# Altium PCB SPG_300.PcbDoc (part 4 of 7)
Units mil, origin at the board's own origin, x right, y up, seen from the top; angles counter-clockwise.
Board outline 7834.65 x 4330.71 mil, 4 copper layers (Top, Route2-SIG, Route3-GND, Bottom), stack 67.156 mil thick; 659 components, 376 nets, 2304 pads, 665 vias.
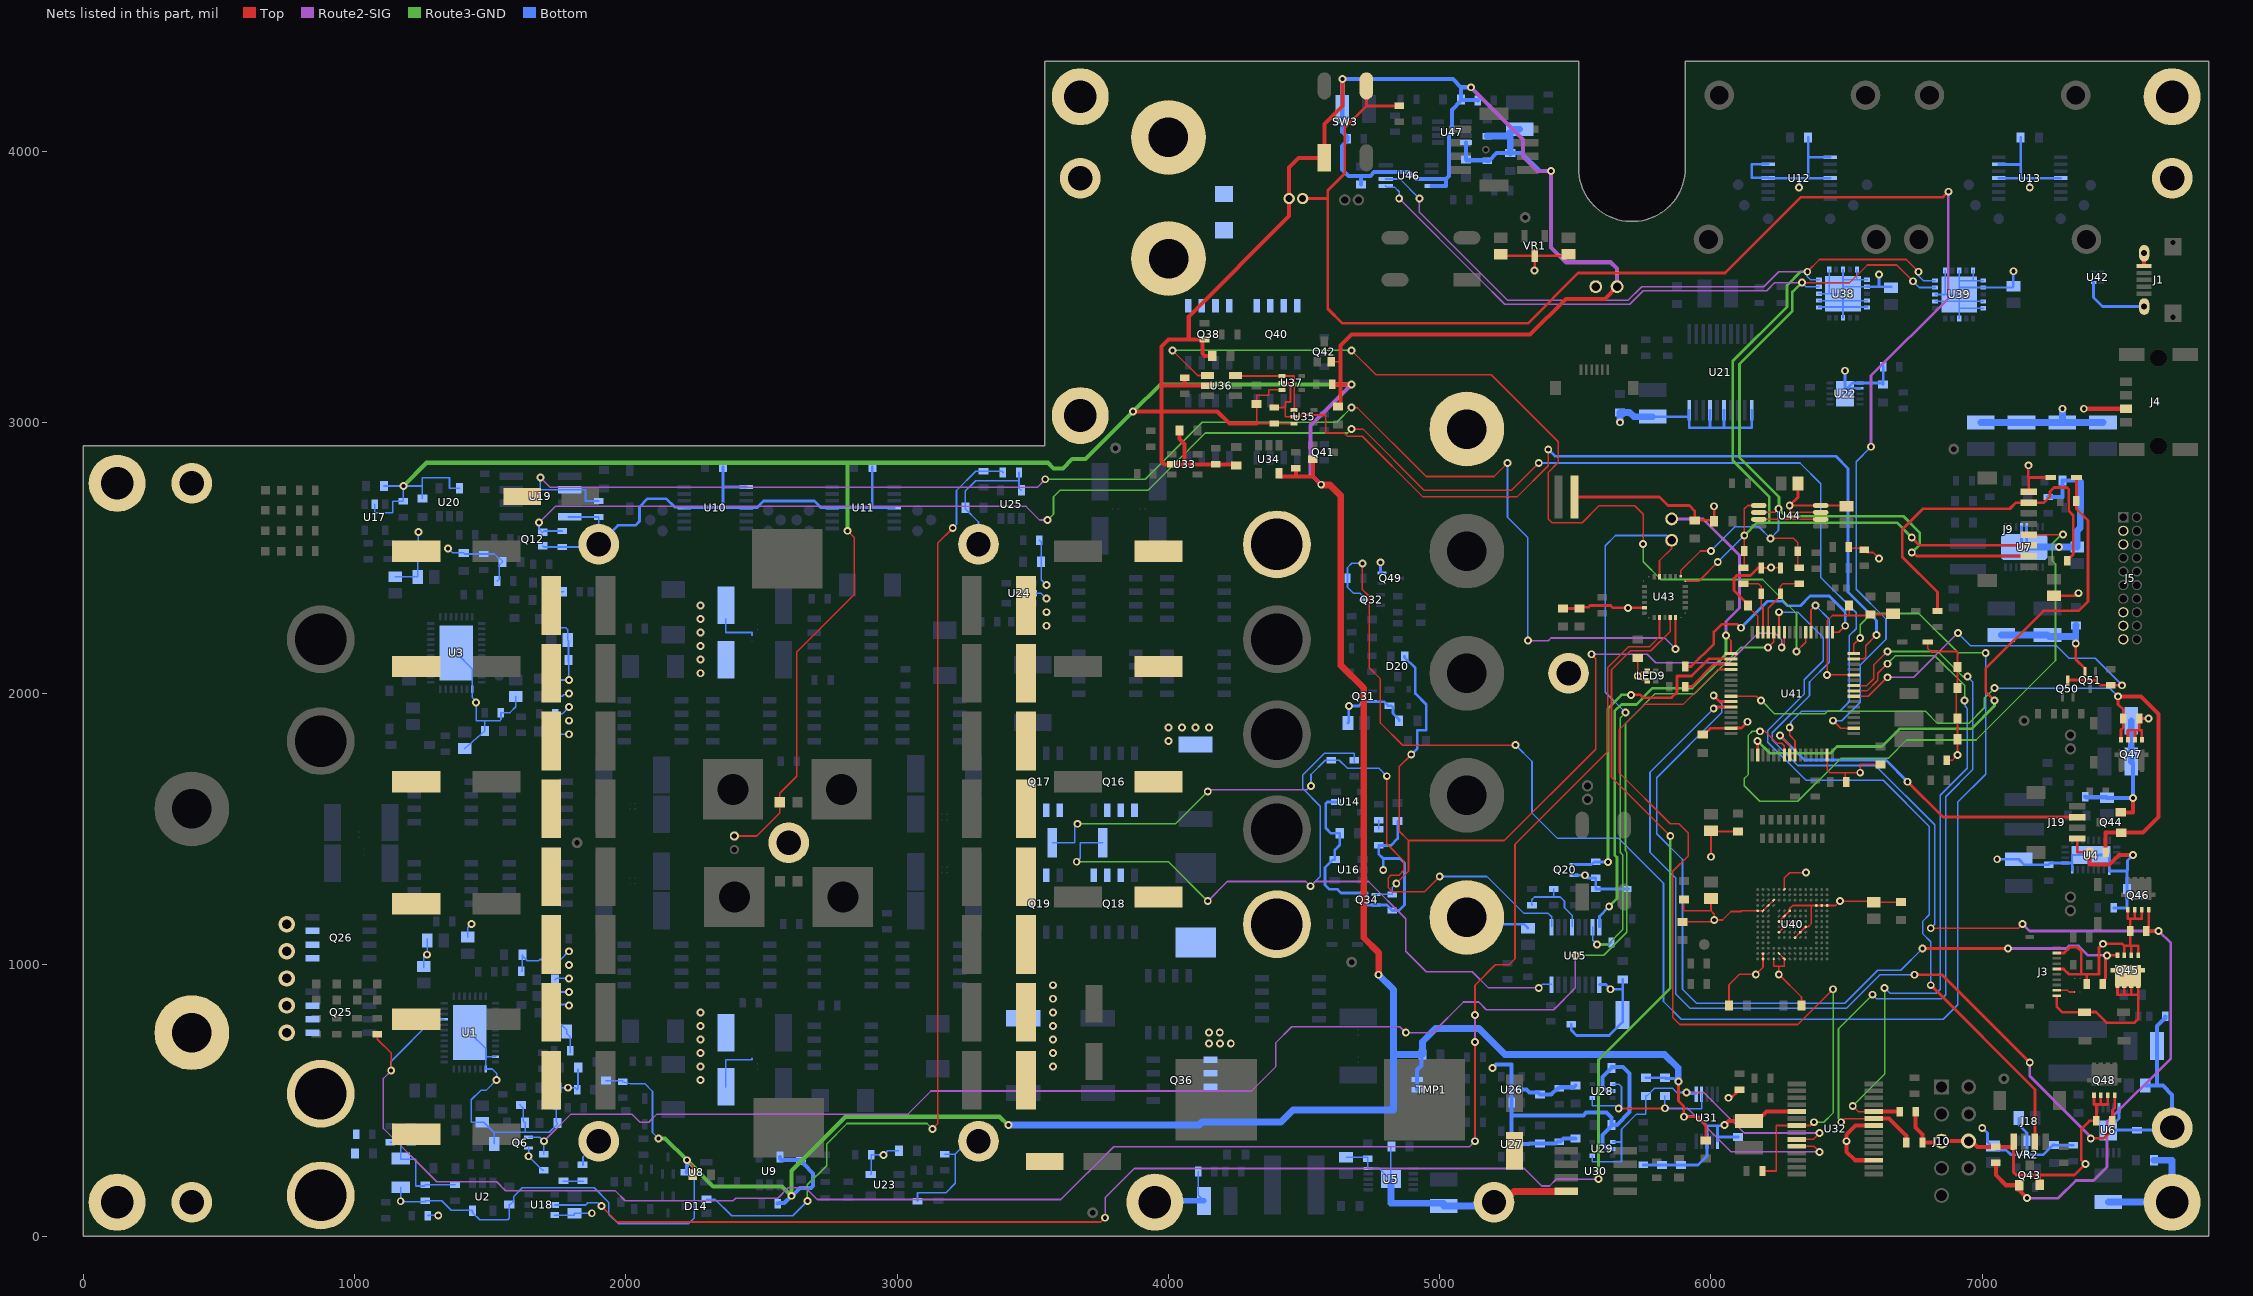
[diagram p6: the nets of this part, all layers, seen from the top]

## Via types
v1: diameter 29, hole 15, Top to Bottom, tented both sides, 469 vias
v2: diameter 29/29/29/29 (per signal layer), hole 15, Top to Bottom, tented both sides, 168 vias
v3: diameter 34/34/34/34 (per signal layer), hole 20, Top to Bottom, 14 vias
v4: diameter 60/52.5/52.5/60 (per signal layer), hole 35, Top to Bottom, 13 vias
v5: diameter 55, hole 35, Top to Bottom, 1 vias

## Nets (pads, with @x,y where several pads share a name; then routed paths per layer and width w, separated by ;. In a path a pad name is that pad's centre, name@x,y a point inside that pad or via, vN(x,y) a via of type N, cw(c..) or ccw(c..) an arc to the next point about the centre after c; other vN are vias at no path point) (continued)
DGND: BAT1.MINUS C32.2 C33.2 C70.2 C71.2 C72.2 C73.2 C81.2 C103.2 C104.2 C105.2 C117.2 C118.2 C121.2 C136.2 C139.2 C140.2 C141.2 C142.2 C143.2 C144.2 C145.2 C146.2 C147.2 C148.2 C149.2 C150.2 C151.1 C152.2 C153.2 C154.2 C155.2 C156.2 C157.2 C158.2 C159.2 C160.2 C161.2 C162.2 C163.2 C164.2 C165.2 C166.2 C167.2 C168.2 C169.2 C170.2 C171.2 C172.2 C173.2 C174.2 C175.2 C176.2 C177.2 C178.2 C179.2 C180.2 C181.2 C182.2 C183.2 C186.2 D25.A D26.A D27.A D32.A J1.5 J1.6 J1.7 J3.2 J3.5 J4.3 J5.3 J5.5 J5.15 J5.17 J5.19 J9.1 J10.3 J12.2 J18.4 J19.4 J23.1 LED9.CL LED9.CS pad.11 Q41.2 Q42.2 Q43.2 Q44.2 Q45.S1 Q45.S2 Q45.S3 Q46.S1 Q46.S2 Q46.S3 Q47.S1 Q47.S2 Q47.S3 Q48.S1 Q48.S2 Q48.S3 R38.1 R66.1 R69.1 R70.1 R88.2 R90.2 R91.1 R116.1 R165.1 R170.1 R171.1 R180.1 R182.1 R183.1 R184.1 R187.1 R188.1 R192.1 R204.1 R205.1 R211.1 R213.1 R214.1 R215.1 R218.1 R219.1 R221.1 R222.1 R225.1 R226.1 SW3.1 TH2.1 TMP1.2 TMP1.3 U2.5 U4.1 U4.8 U4.9 U4.25 U8.3 U9.5 U17.2 U20.5 U31.1 U31.3 U32.3 U32.8 U32.19 U33.2 U34.5 U35.3 U36.2 U37.3 U38.1 U38.3 U38.5 U38.6 U38.7 U38.9 U38.10 U38.13 U38.16 U38.17 U38.18 U38.21 U39.1 U39.3 U39.5 U39.6 U39.7 U39.9 U39.10 U39.13 U39.17 U39.18 U39.21 U40.*VSS U40.*VSS2 U40.*VSSQ U40.*VSSQ2 U40.A6 U40.E7 U40.H10 U40.N5 U40.P4 U40.P6 U41.12 U41.18 U41.31 U41.47 U41.63 U42.4 U43.6 U44.2 U44.3 U44.4 U44.7 U46.3 U46.4 U46.7 U47.4 | length 39069.1
  Top w6: v1(2225,280) 2246.54,258.46 C103.2@2246.54,226.06 ; pad.11@2399.56,1475 pad.11@2400,1475 2482.66,1475 2567.48,1559.82 TH2.1@2567.48,1600 2567.48,1632.48 2630,1695 2630,2153.44 2841.56,2365 2841.56,2575.13 v1(2816.69,2600) ; C150.2@4250,2841.54 C150.2@4250,2845 ; U37.3@4418.58,3119.41 4370,3119.41 4370,3100 4325,3100 C152.2@4325,3068.23 4325,2995.47 R183.1@4390,2995.47 4390,2994.41 U35.3@4463.58,2994.41 ; Q42.2@4600.59,3223.23 4633.23,3223.23 4635,3225 ; C166.2@5730,2131.54 v1(5730,2065) ; LED9.CS@5764.72,2047.44 5762.72,2049.44 5745.56,2049.44 v1(5730,2065) ; LED9.CL@5764.72,2082.87 5762.41,2080.56 5745.56,2080.56 v1(5730,2065) ; C165.2@5895,1158.46 6005.7,1158.46 6012.11,1164.88 v1(6012.11,1165.48) ; C171.2@5900,1241.54 5900,1199.21 6000,1199.21 ; v1(5999.53,1398.55) 6000,1398.55 C172.2@6000,1491.54 ; C146.2@6000,1244.49 6000,1199.21 ; C172.2@6000,1494.49 C172.2@6000,1491.54 ; C161.2@6066.54,850 6066.54,926.54 6105,965 v1(6165.16,965) 6165.16,965.16 6191.73,991.73 U40.*VSSQ2@6191.73,1041.73 ; C163.2@6100,1491.54 C172.2@6000,1491.54 ; C157.2@6136.61,2325 6136.61,2321.06 6172.05,2285.63 U41.31@6172.05,2226.38 ; U44.7@6175.98,2642.2 6290.16,2642.2 ; D26.A@6185,2462.83 6219.57,2462.83 v1(6221.26,2464.53) 6253.31,2464.53 D27.A@6255,2462.83 ; U40.P4@6231.1,1022.05 6231.1,995 6250,995 ; U40.*VSSQ@6231.1,1238.58 U40.*VSSQ@6211.42,1218.9 U40.*VSSQ@6191.73,1199.21 U40.*VSSQ@6172.05,1199.21 6113.9,1199.21 6111.23,1196.55 6073.62,1196.55 6042.56,1165.48 v1(6012.11,1165.48) ; U40.*VSS@6249.07,1159.84 U40.*VSS@6250.79,1159.84 ; U40.N5@6250.79,1041.73 U40.P6@6270.47,1022.05 6270.47,995.32 6270.16,995 6250,995 ; U40.*VSS@6250.79,1120.47 U40.*VSS@6270.47,1140.16 U40.*VSS@6250.79,1159.84 ; U40.A6@6270.47,1277.95 6270.47,1320.31 6290.16,1340 v1(6350,1340) ; U40.*VSS2@6309.84,1100.79 U40.*VSS2@6329.53,1120.47 U40.H10@6349.21,1140.16 6358.16,1140.16 6368.9,1150.9 6368.9,1218.9 ; C162.2@6333.47,850 6333.47,881.54 v1(6250,965) 6250,995 ; U44.2@6404.33,2642.2 6290.16,2642.2 ; U44.3@6404.33,2667.8 6290.16,2667.8 ; U41.63@6427.95,1773.62 6427.95,1719.37 6438.98,1708.35 6495,1708.35 ; R192.1@6498.03,1673.9 6495,1676.93 6495,1708.35 ; C170.2@6500,2690.51 6497.13,2693.39 U44.4@6404.33,2693.39 v1(6290.16,2693.39) 6290.16,2667.8 ; R205.1@6507.87,2540.51 6512.87,2535.51 6559.02,2535.51 R204.1@6565,2529.53 6574.31,2520.22 6597.78,2520.22 v1(6620,2497.99) ; C160.2@6508.47,2325 6510,2323.47 6510,2287.79 ; U41.12@6526.38,2068.9 v1(6427.95,2068.9) U41.18@6427.95,2226.38 6427.95,2268.11 6447.64,2287.79 6510,2287.79 ; C158.2@6625,1738.86 6550,1738.86 v1(6550,1708.35) 6495,1708.35 ; C155.2@6670.47,2294.49 6667.52,2291.54 C156.2@6587.99,2291.54 6584.25,2287.79 6510,2287.79 ; C164.2@6700,1232.41 6698.1,1230.51 C178.2@6600,1230.51 6595.51,1235 v1(6475,1235) 6458.9,1218.9 U40.*VSS@6427.95,1218.9 U40.*VSS@6408.27,1218.9 U40.*VSS@6388.58,1218.9 6368.9,1218.9 ; D25.A@6798.94,2190 6798.94,2166.19 6810.12,2155 6908.46,2155 C176.2@6908.46,2098.43 C175.2@6908.46,2020 ; R88.2@6869.41,1754.92 6890.12,1754.92 v1(6908.46,1773.27) C173.2@6908.46,1831.69 C174.2@6908.46,1908.15 ; C174.2@6903.46,1908.15 C175.2@6903.46,2020 ; C174.2@6903.76,1908.15 C174.2@6903.78,1907.86 ; C175.2@6903.76,2020 C175.2@6903.78,2020.28 ; 6000,1199.21 6012.11,1187.1 v1(6012.11,1165.48) ; U40.*VSS@6250.79,1159.84 U40.*VSS@6270.47,1179.53 U40.E7@6290.16,1199.21 6290.16,1208.16 6300.9,1218.9 6368.9,1218.9 ; 6290.16,2642.2 6290.16,2667.8
  Top w10: C167.2@5455,2313.46 C177.2@5515,2313.46 5520.24,2318.7 5548.7,2318.7 5555,2325 5630,2325 5638.86,2316.14 v1(5694.45,2316.14) U43.6@5755.2,2316.14 ; BAT1.MINUS@5496.26,2724.91 5496.35,2725 5810,2725 5841.61,2693.39 5920.39,2693.39 5940,2673.78 C168.2@5940,2638.46 6008.07,2638.46 C169.2@6011.54,2635 v1(6011.54,2690.51) ; v1(5880,570) 5880,498.07 5900,478.07 v1(5900,440) 5950,440 5980.47,409.53 C147.2@5980.47,353.46 ; C159.2@5969.8,1848.46 5973.74,1848.46 5997.32,1872.05 U41.47@6073.62,1872.05 6074.53,1872.95 6111.7,1872.95 v1(6135,1896.25) ; C157.2@6136.61,2325 6136.61,2328.94 6085,2380.55 6085,2425 6095,2435 6145,2435 6172.83,2462.83 D26.A@6185,2462.83 ; v1(6290.16,2693.39) 6320.51,2723.74 C154.2@6320.51,2775 ; J18.4@7115.43,347.95 7115.43,333.37 7115.43,234.57 7125,225 7211.89,225 ; v1(7170,2841.54) 7170,2797.52 7171.26,2796.26 ; J9.1@7171.26,2743.27 7171.26,2796.26 ; Q43.2@7211.89,189.57 7211.89,225 ; D32.A@7252.76,2796.26 7171.26,2796.26 ; C121.2@7265,2360.83 7345.62,2360.83 v1(7354.78,2370) ; J3.5@7274.21,984.84 7274.29,984.76 7300.24,984.76 7319.65,965.35 7354.8,965.35 ; J3.2@7274.29,1043.82 J3.2@7274.21,1043.9 7274.29,1043.98 7301.97,1043.98 7322.99,1065 7349.14,1065 7365,1049.14 7365,965.35 ; J19.4@7350.47,1465.94 7350.47,1414.76 R213.1@7395.47,1414.76 ; 7355,965.16 7354.8,965.35 ; R221.1@7386.64,930.7 R221.1@7385.47,929.53 7385.47,964.88 7385,965.35 ; Q48.S1@7411.61,519.88 7411.61,485 7420,485 ; Q48.S2@7437.2,519.88 7437.2,485 ; Q48.S3@7462.8,519.88 7462.8,485 7437.2,485 ; Q45.S3@7523.82,1035.12 7523.82,1070 ; Q46.S1@7536.61,1203.15 7536.61,1169.49 7545.47,1169.49 ; Q47.S3@7537.2,1830.12 7537.2,1865 7562.8,1865 ; 7545.51,1169.85 7545.47,1169.81 7545.47,1169.49 ; Q45.S2@7549.41,1035.12 7549.41,1070 ; 7562.2,1169.85 Q46.S2@7562.2,1203.15 ; Q47.S2@7562.8,1830.12 7562.8,1865 ; Q45.S1@7575,1035.12 7575,1070 7549.41,1070 ; Q46.S3@7587.8,1203.15 7587.8,1170 7587.28,1169.49 7545.47,1169.49 ; Q47.S1@7588.39,1830.12 7588.39,1865 7575,1865 ; v1(7613.39,1908.15) R225.1@7578.94,1908.15 7578.94,1868.94 7575,1865 ; 7211.89,225 7339.31,225 v1(7380,265.69) 7365,280.69 7365,395 7395,425 R226.1@7420.83,425 7420.83,470.94 7420,471.77 7420,485 ; 7354.8,965.35 7365,965.35 ; 7365,965.35 7385,965.35 ; 7385,965.35 7392.3,965.35 7392.5,965.16 7430,965.16 7430,1063.17 v1(7444.53,1077.7) 7516.12,1077.7 7523.82,1070 ; 7420,485 7437.2,485 ; 7523.82,1070 7545.51,1070 ; 7545.47,1169.49 R222.1@7545.47,1125 7545.47,1081.16 7545.51,1081.12 7545.51,1070 ; 7545.51,1070 7549.41,1070 ; 7562.8,1865 7575,1865
  Top w15: v1(3870,3040) 3975,3040 ; 3974.96,3034.56 3974.96,2855 3984.96,2845 U33.2@4012.76,2845 4059.53,2845 ; C148.2@4040.31,2970 4040.31,2939.21 4059.53,2920 4059.53,2845 ; R184.1@4059.53,3164.69 4059.21,3164.37 4059.21,3135 ; 4060,2845.47 4059.53,2845 ; R187.1@4132.83,3305.47 R187.1@4129.31,3305.47 ; U36.2@4143.43,3135 4059.21,3135 ; C151.1@4161.54,3245 4133.79,3245 4125,3253.79 4125,3301.16 R187.1@4129.31,3305.47 ; R180.1@4175,2845.47 R180.1@4174.53,2845 ; C150.2@4250,2845 R180.1@4174.53,2845 ; 4325,2995.47 4224.53,2995.47 4180,3040 3975,3040 ; U34.5@4407.4,2808.23 4407.4,2800 4470,2800 ; R182.1@4470,2830.47 4470,2800 ; Q41.2@4532.6,2863.94 4532.6,2800 ; v1(4563.11,2770) 4562.6,2770 4532.6,2800 ; R188.1@4604.53,3140 4635,3140 ; C149.2@4625,3058.46 4627.74,3058.46 4635,3065.73 4635,3140 ; v1(4641,4265) 4641,4166 4575,4100 SW3.1@4575,3975 4480.31,3975 4445,3939.68 J12.2@4445,3824.8 4445,3760 4075,3390 4075,3305.47 ; v1(4675,3140) 4635,3140 ; J23.1@5653.74,3500 5608.74,3455 5465,3455 5333.62,3323.62 4675,3323.62 4635,3283.62 4635,3225 4635,3140 ; v1(6050,410) 6064.21,424.21 C136.2@6140,424.21 6169.21,424.21 6203.98,458.98 U32.19@6315.97,458.98 ; v1@6498,352 v1(6500,350) ; U32.3@6599.43,279.84 6530.71,279.84 6500,310.55 v1(6500,350) ; U32.8@6599.43,407.8 6532.48,407.8 6500,375.31 v1(6500,350) ; R171.1@6754.53,458.98 6754.53,400 6779.53,375 R170.1@6779.53,345 J10.3@6855,345 ; J10.3@6850,350 v5(6950,350) 6960.82,350 6981.77,329.06 R211.1@7050,329.06 7111.12,329.06 J18.4@7115.43,333.37 ; v1(7374.32,3050) J4.3@7529.92,3050 ; R213.1@7395.47,1414.76 7395.47,1370 7469.17,1370 7503.7,1404.53 v1(7555,1404.53) ; Q44.2@7512.83,1560 Q44.2@7510.43,1562.4 7555,1562.4 v1(7555,1615) ; J1.5@7596.85,3576.18 J1.7@7596.85,3623.43 ; 3975,3040 3975,3135 ; 3975,3135 3975,3280 4000.47,3305.47 4075,3305.47 ; 3975,3135 4059.21,3135 ; 4059.53,2845 R180.1@4174.53,2845 ; 4075,3305.47 R187.1@4129.31,3305.47 ; 4470,2800 4532.6,2800
  Top w25: v1(4563.11,2770) 4563.88,2769.23 4595.77,2769.23 4635,2730 4635,2105 4720,2020 4720,1100 4775,1045 v1(4775,963.46)
  Route2-SIG w15: v1(4563.11,2770) 4524.01,2809.1 4524.01,2989.01 v1(4675,3140) ; v1(5115,4234.91) 5307.34,4042.57 5307.34,3980 5361.27,3926.06 v1(5410,3926.06) 5410,3645 5465,3590 5630,3590 5653.74,3566.26 J23.1@5653.74,3500
  Route3-GND w15: v1(1180,2765) 1265.88,2850.88 2816.69,2850.88 ; v1(2120,360) 2145,360 v1(2225,280) 2322.01,182.99 2575.77,182.99 v1(2610,148.76) 2610,241.05 2809.07,440.12 3377.63,440.12 3407.75,410 v1(3410.08,410) ; v1(2816.69,2600) 2816.69,2850.88 ; v1(4675,3140) 3970,3140 v1(3870,3040) 3695,2865 3645.42,2865 3610.59,2830.17 3576.19,2830.17 3555.48,2850.88 2816.69,2850.88
  Bottom w6: U17.2@1075,2697.24 1075,2667 1140.51,2667 1140.51,2709.53 R116.1@1180,2709.53 v1(1180,2765) ; C117.2@1108.46,2765 v1(1180,2765) ; v1@1170,125 1175,125 1176.97,126.97 1260,126.97 R38.1@1260,130.47 1321.53,130.47 1356.32,95.68 1432.6,95.68 U2.5@1434.82,93.46 1434.82,86.77 1461.12,60.47 1564.74,60.47 1570.19,65.93 C32.2@1570.19,116.54 1574.13,116.54 1586.39,128.8 1586.39,146.39 1618,178 1883,178 1937,124 1937,80.47 1972.47,45 2230,45 2252,67 2252,218 2234.41,235.59 U8.3@2223.58,235.59 ; v1(1170,128.5) C33.2@1170,180.35 ; C118.2@1250,2718.46 1250,2765 ; U20.5@1387.4,2756.77 1350,2756.77 1350,2795 1250,2795 1250,2765 ; C104.2@1927,573.15 1988,573.15 R90.2@1988,569.21 2016.2,562.39 2069.14,562.39 2098.09,533.44 2098.09,381.91 v1(2120,360) ; U38.16@6398.19,3423.03 6398.19,3425 U38.21@6486.77,3425 ; U38.17@6398.19,3448.62 U38.21@6486.77,3448.62 ; U38.18@6398.19,3474.21 U38.21@6435.59,3474.21 ; U38.1@6435.59,3562.8 U38.21@6435.59,3474.21 ; U38.13@6486.77,3385.63 U38.21@6486.77,3425 ; U38.3@6486.77,3562.8 U38.21@6486.77,3525.39 ; U38.5@6537.95,3562.8 U38.21@6537.95,3525.39 ; U38.10@6575.35,3423.03 6575.35,3425 U38.21@6486.77,3425 ; U38.9@6575.35,3448.62 U38.21@6486.77,3448.62 ; U38.7@6575.35,3499.8 U38.21@6486.77,3499.8 ; U38.6@6575.35,3525.39 U38.21@6537.95,3525.39 ; v1@6619.61,3544.76 v1(6619.84,3545) ; C153.2@6664.13,3495.51 C153.2@6664.13,3499.8 ; U39.17@6826.42,3445.59 U39.21@6915,3445.59 ; U39.18@6826.42,3471.18 U39.21@6863.82,3471.18 ; U39.1@6863.82,3559.76 U39.21@6863.82,3471.18 ; U39.13@6915,3382.6 U39.21@6915,3420 ; U39.3@6915,3559.76 U39.21@6915,3521.81 ; U39.5@6966.18,3559.76 U39.21@6966.18,3521.81 ; U39.10@7003.58,3420 U39.21@6915,3420 ; U39.9@7003.58,3445.59 U39.21@6915,3445.59 ; U39.6@7003.58,3522.36 7003.58,3521.81 U39.21@6966.18,3521.81 ; C139.2@7114.49,3501.69 7114.49,3496.77 U39.7@7003.58,3496.77 U39.21@6915,3496.77 ; U4.25@7332.1,1375.47 7332.1,1405 U4.25@7401,1405 ; v1(1180,2765) 1250,2765 ; U38.21@6435.59,3474.21 U38.21@6486.77,3474.21 ; U38.21@6486.77,3425 U38.21@6486.77,3448.62 ; U38.21@6486.77,3448.62 U38.21@6486.77,3474.21 ; U38.21@6486.77,3474.21 U38.21@6486.77,3499.8 ; U38.21@6486.77,3499.8 U38.21@6486.77,3525.39 ; U38.21@6486.77,3525.39 U38.21@6537.95,3525.39 ; U39.21@6863.82,3471.18 U39.21@6915,3471.18 ; U39.21@6915,3420 U39.21@6915,3445.59 ; U39.21@6915,3445.59 U39.21@6915,3471.18 ; U39.21@6915,3471.18 U39.21@6915,3496.77 ; U39.21@6915,3496.77 U39.21@6915,3521.81 ; U39.21@6915,3521.81 U39.21@6966.18,3521.81
  Bottom w10: R165.1@5750,263.23 5750.75,262.48 C144.2@5820,262.48 C143.2@5890,262.48 5952.48,262.48 5985,295 U31.3@5985,350.51 5985,406.54 ; C142.2@5760,583.86 C141.2@5830,583.86 5832.7,581.16 5863.7,581.16 5874.86,570 v1(5880,570) ; v1(5900,440) 5951.54,440 5985,406.54 ; U31.1@6024.37,350.51 U31.1@6024.37,364.57 ; v1(6050,410) 6046.54,406.54 6024.37,406.54 ; C140.2@6100,365.48 6025.28,365.48 U31.1@6024.37,364.57 ; U38.7@6575.35,3499.8 6619.61,3499.8 ; v1@6619.61,3544.76 6619.61,3499.8 ; C153.2@6664.13,3499.8 6619.61,3499.8 ; v1(7055,1389.21) C81.2@7134.49,1389.21 7154.17,1369.53 R66.1@7245,1369.53 7250.87,1375.39 7306.43,1375.39 U4.9@7306.51,1375.47 7332.1,1375.47 U4.8@7332.1,1349.88 ; C139.2@7114.49,3501.69 v1(7114.49,3556.81) ; U4.25@7401,1405 7467.93,1405 U4.1@7467.93,1345.94 7533.46,1345.94 ; U42.4@7410.73,3515.32 7410,3514.59 7410,3460 7443.43,3426.57 J1.6@7596.85,3426.57 ; R70.1@7484.53,1210 7533.46,1210 C72.2@7533.46,1279.53 7533.46,1345.94 ; v1(7555,1404.53) 7535,1384.53 7535,1347.48 7533.46,1345.94 ; 5985,406.54 6024.37,406.54 ; U31.1@6024.37,364.57 6024.37,406.54
  Bottom w15: U8.3@2223.58,235.59 2225,237.01 v1(2225,280) v1(2225,280) ; R91.1@2559.6,120 2562.2,122.59 2583.84,122.59 v1(2610,148.76) v1@2612.12,148.76 ; U9.5@2567.4,291.77 2567.4,285.54 2572.89,280.04 2641.26,280.04 C105.2@2645,276.3 2648.94,276.3 2656.2,269.04 2656.2,265.1 2690,231.3 2690,185.63 2682.37,178 2641.37,178 v1@2612.12,148.76 ; v1@2615,150 2613.76,148.76 v1@2612.12,148.76 ; 4641.42,4069.96 4660.47,4050.91 R218.1@4660.47,4045 4660.47,4039.09 4640,4018.62 4640,3931.95 4663.37,3908.58 4710,3908.58 ; 4641.42,4070 4640.79,4070.63 C180.2@4640.79,4154.53 4640.79,4265 v1(4641,4265) 5048.46,4265 5078.46,4235 ; C186.2@4710,3876.06 4710,3908.58 ; TMP1.2@4916.85,540 TMP1.3@4916.85,577.4 4916.85,613.32 4932.33,628.8 C145.2@4932.33,665.79 ; U46.4@4969.65,3871.14 5023.15,3871.14 5023.15,3896.73 ; U47.4@5096.57,4031.14 C183.2@5096.57,3967.99 5098.54,3966.02 5173.03,3966.02 R214.1@5175,3964.06 5180.91,3964.06 5209.84,3992.99 C181.2@5260,3992.99 5302.01,3992.99 5368.94,3926.06 v1(5410,3926.06) ; v1(5115,4234.91) 5114.91,4235 5078.46,4235 ; R215.1@5140.55,4186.31 5138.99,4187.87 5080.03,4187.87 C182.2@5078.46,4189.44 ; R69.1@7379.53,1620 7381.77,1617.76 7457.76,1617.76 C73.2@7460,1615.51 7460.26,1615.26 7554.74,1615.26 v1(7555,1615) 7555,1744.21 C71.2@7549.21,1750 ; 4710,3908.58 4745,3908.58 4758.37,3921.95 4799.98,3921.95 U46.7@4800.35,3922.32 4887.42,3922.32 4913.01,3896.73 U46.3@4969.65,3896.73 5023.15,3896.73 ; 5023.15,3896.73 5035,3908.58 5035,4059.53 5045,4069.53 5045,4152.03 5078.46,4185.5 C182.2@5078.46,4189.44 ; C182.2@5078.46,4189.44 5078.46,4235
  Bottom w25: v1(3410.08,410) 4112.83,410 4123.4,420.57 4414.88,420.57 4458.84,464.53 4830,464.53 4830,670 ; v1(4775,963.46) 4830,908.46 4830,670 ; R219.1@5175,4055 5244.09,4055 5256.32,4067.22 C179.2@5260,4067.22 ; C181.2@5260,3992.99 C179.2@5260,4067.22 ; C179.2@5295,4080.32 5273.09,4080.32 C179.2@5260,4067.22 ; v1(5880,570) 5879.23,570.77 5879.23,620.19 5829.43,670 5240,670 5145,765 4985,765 4936.54,716.54 C145.2@4936.54,670 4830,670 ; C71.2@7549.21,1750 C70.2@7549.21,1900
DI_BOXFAN_RPM: J19.2 U41.56 | length 1305.8
  Top w6: v1(6255,1845) 6290.16,1809.84 U41.56@6290.16,1773.62
  Top w10: v1(6725,1675) 6855.31,1544.68 J19.2@7350.47,1544.68
  Bottom w10: v1(6255,1845) 6345,1755 6645,1755 v1(6725,1675)
DI_CBON: R168.1 U32.21 U41.36 | length 3270
  Top w6: U41.36@6073.62,2088.58 6025.65,2088.58 5897.07,1960 5755,1960 5662.73,1867.73 5662.73,1707.51 5850.24,1520 5881.81,1520 5916.81,1485 5916.81,1402.6 5859.21,1345 5859.21,805.79 5885,780 6320,780 v1(6450,910) ; R168.1@6190,240 6240,240 6240,407.8 U32.21@6315.97,407.8 6367.95,407.8 v1(6380.16,420)
  Route3-GND w6: v1(6380.16,420) 6415.77,420 6450,454.23 v1(6450,910)
DI_CHTRSW_SNS: J12.1 R181.1 SW3.2 U41.2 | length 5927.9
  Top w6: v1(6450.39,1900) 6478.34,1872.05 U41.2@6526.38,1872.05
  Top w10: J12.1@4495,3824.8 4587.4,3824.8 ; SW3.2@4730,4240 4730,4166.34 ; R181.1@4851.02,4166.34 4730,4166.34 ; v1(6875,3850) 6855,3830 6332.36,3830 6052.36,3550 5510,3550 5325,3365 4641,3365 4587.4,3418.6 4587.4,3824.8 ; 4587.4,3824.8 4587.4,3855 4650,3917.6 4650,4086.34 4730,4166.34
  Route2-SIG w10: v1(6590,2910) 6590,3171.89 6875,3456.89 v1(6875,3850)
  Bottom w6: v1(6450.39,1900) 6482.46,1900 6550,1967.54 6550,2105.47 6645,2200.47 6645,2275 6535,2385 6535,2855 v1(6590,2910)
DI_DC1_PGOOD: R32.2 U1.28 U43.10 | length 7223.6
  Top w6: R32.2@1084.01,744.55 1084.01,725.82 1135,674.83 v2(1135,610) ; v1(5130,350) v1(5130,715) ; v1(5130,815) 5130,925 5205,1000 5255.45,1000 5277.5,1022.05 5277.5,1444.72 5620,1787.22 5620,2097.05 5694.95,2172 5772,2172 5810.31,2210.32 U43.10@5810.31,2280.71
  Route2-SIG w6: v2(1135,610) 1106.23,581.23 1106.23,396.47 1302.7,200 1523.53,200 1555.59,167.94 1959.9,167.94 1997.84,130 2395,130 2405,140 2559.52,140 2597.58,178.06 2661.94,178.06 2705,135 3603.17,135 3798.17,330 5110,330 v1(5130,350) ; v1(5130,715) v1(5130,815)
  Bottom w6: v2(1135,610) 1135,645 1289.21,799.21 U1.28@1330.47,799.21
DI_LIDSW_SNS: Q50.3 R186.2 U41.8 | length 1373.9
  Top w6: U41.8@6526.38,1990.16 6580.16,1990.16 v1(6650,2060)
  Top w10: Q50.3@7315,2050 7415.51,2050 7435.04,2030.47 R186.2@7473.31,2030.47 v1(7515.51,2030.47)
  Route2-SIG w6: v1(6650,2060) 6747.03,2060 v1(6910,2222.97)
  Bottom w6: v1(6910,2222.97) 6955.97,2177 7273,2177 7320,2130 7415.98,2130 v1(7515.51,2030.47)
DI_OUTFLT: J2.1 U15.8 U41.33 | length 2087.2
  Top w6: v1(6055,2214.06) 6073.62,2195.43 U41.33@6073.62,2147.64
  Route2-SIG w10: J2.1@5855,2643.74 5971.26,2643.74 6105,2510 6105,2315.94 6055,2265.94 v1(6055,2214.06)
  Route3-GND w10: v1(5624.8,1215) 5653.74,1243.94 5653.74,1396.26 5645,1405 5645,1935 5670,1960 5725,1960 5785,2020 5930,2020 6055,2145 v1(6055,2214.06)
  Bottom w10: U15.8@5588.96,1140.47 5588.96,1178.96 5624.8,1214.8 v1(5624.8,1215)
DI_PWR_SW: D32.C R131.2 U41.50 | length 2120.3
  Top w10: U41.50@6172.05,1773.62 v1(6172.05,1825) ; v1(7045,1975) 7012.6,2007.4 7012.6,2092.6 7225,2305 7355,2305 7390,2340 7390,2638 7347.13,2680.87 R131.2@7347.13,2710 7347.13,2796.14 D32.C@7347.24,2796.26
  Route3-GND w10: v1(6172.05,1825) 6217.05,1780 6440,1780 6465,1805 6630,1805 6695,1870 6959.74,1870 7045,1955.26 v1(7045,1975)
DI_PWRSW_SNS: Q32.3 R123.2 U41.16 | length 5801.4
  Top w6: v1(4715,2480) 4715,2383.46 4740,2358.46 4740,2095 4781.5,2053.5 4781.5,1891.73 4863.23,1810 v1(5280,1810) ; U41.16@6526.38,2147.64 6526.38,2181.38 v1(6550,2205)
  Route3-GND w6: v1(6550,2205) 6550,2253.92 6591.08,2295 6766.1,2295 6911.1,2150 v1(7012.6,2150)
  Bottom w6: v1@4715,2478.2 v1(4715,2480) 4675.47,2480 4660,2464.53 R123.2@4660,2425 4660,2392.09 4681.67,2370.41 4705.41,2370.41 4718.5,2357.32 Q32.3@4718.5,2345 ; v1(5280,1810) 5340,1750 5340,1560 5432.68,1467.32 5658.15,1467.32 5825,1300.47 5825,865 5890.79,799.21 6855.75,799.21 6910,853.46 6910,1600 7012.6,1702.6 v1(7012.6,2150)
DI_STKFAN_RPM: J18.2 U41.27 | length 2815.3
  Top w6: U41.27@6250.79,2226.38 v1(6250.79,2300)
  Top w10: v1(6810,925) 7194.17,540.83 J18.2@7194.17,347.95
  Bottom w6: v1(6250.79,2300) 6320.63,2300 6414.09,2206.54 6414.09,2121.09 6344,2051 6344,1998.64 6209,1863.64 6209,1821 6350,1680 6635,1680 6805,1510 6805,1185 6780,1160 6780,1115.47 6810.47,1085 6810.47,925.47 v1(6810,925)
DI_UISW2_SNS: J9.2 R130.1 R195.1 | length 1324.8
  Top w10: R195.1@6835,2304.53 6835,2374.25 6705,2504.25 6705,2604.96 6781.26,2681.22 7101.22,2681.22 7123.9,2703.9 J9.2@7171.26,2703.9 7226.98,2703.9 7250,2726.92 7250,2745 7265,2760 7311.74,2760 7319,2752.74 7319,2673 7335.47,2656.53 7335.47,2512.64 R130.1@7312.99,2490.16
DO_BAT_ENB: D20.2 Q34.1 R132.2 U41.26 | length 3113.8
  Top w6: v1(4840,1300) 4885,1345 4885,1458.23 ; v1(4895,1775) 4851.02,1731.02 4851.02,1492.2 4885,1458.23 ; v1(5560.16,2145) 5560.16,2142.8 5575,2127.95 5575,1795 5238.23,1458.23 4885,1458.23 ; v1(6260.63,2170) 6270.47,2179.84 U41.26@6270.47,2226.38
  Route2-SIG w6: v1(5560.16,2145) 5765,2145 5796.6,2113.4 6065,2113.4 6174.57,2222.97 6235,2222.97 6260.63,2197.34 v1(6260.63,2170)